# Altium PCB F407.PcbDoc (part 2 of 3) (continued)
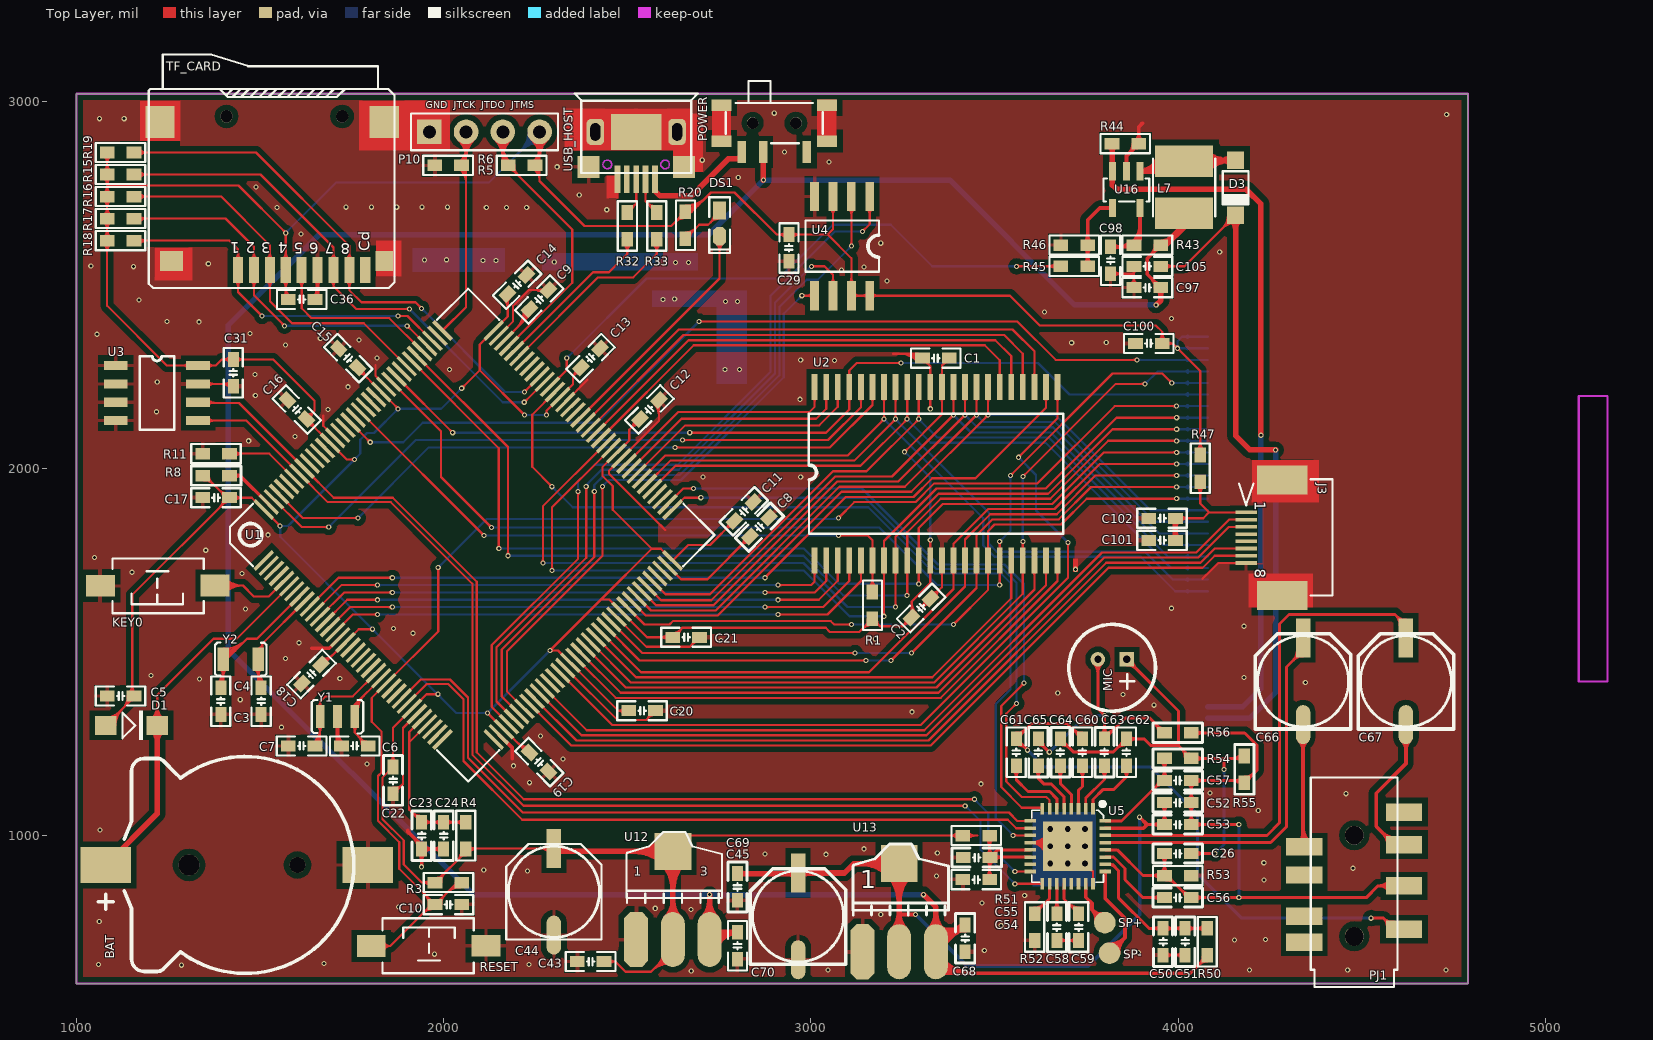
[diagram p0: Top Layer view]
## Nets (pads, with @x,y where several pads share a name; then routed paths per layer and width w, separated by ;. In a path a pad name is that pad's centre, name@x,y a point inside that pad or via, vN(x,y) a via of type N, cw(c..) or ccw(c..) an arc to the next point about the centre after c; other vN are vias at no path point) (continued)
  other v2: 3651.76,923.76 3699,923.76 3746.24,923.76 3651.76,971 3746.24,971 3651.76,1018.24 3699,1018.24 3746.24,1018.24
I2S_LRCK: U1.73 U5.7 | length 1821
  Top Layer w6: U1.73@2623.29,1887.96 2655.33,1920 v1(2700,1920) ; v1@2697.17,1917.17 ccw(c2690.34,1910.34) 2690.34,1920 ccw(c2690.34,1929.66) v1@2697.17,1922.83 ; v1@3556,1360 cw(c3546.34,1360) 3553.17,1353.17 cw(c3560,1346.34) v1@3560,1356 ; v1(3560,1360) 3532,1332 3532,1147 3574,1105 3641,1105 3649.79,1096.21 U5.7@3649.79,1073.41
  Bottom Layer w6: v1(2700,1920) 3146.97,1920 3340.97,1726 3522.03,1726 3560,1688.03 v1(3560,1360) ; v1@2702.83,1917.17 cw(c2709.66,1910.34) 2709.66,1920 cw(c2709.66,1929.66) v1@2702.83,1922.83 ; v1@3557.17,1362.83 ccw(c3550.34,1369.66) 3560,1369.66 ccw(c3569.66,1369.66) v1@3562.83,1362.83
I2S_MCLK: U1.96 U5.11 | length 2493.2
  Top Layer w6: v1@2291,1950 ccw(c2281.34,1950) 2288.17,1956.83 ccw(c2295,1963.66) v1@2295,1954 ; v1(2295,1950) 2241,2004 2241,2145.97 U1.96@2303.14,2208.11 ; v1(3550.53,1000.53) U5.11@3596.59,1000.53 ; v1@3553.36,997.7 cw(c3560.18,990.87) 3560.18,1000.53 cw(c3560.18,1010.18) v1@3553.36,1003.36
  Bottom Layer w6: v1@2295,1946 cw(c2295,1936.34) 2301.83,1943.17 cw(c2308.66,1950) v1@2299,1950 ; v1(2295,1950) 2351,1894 3156,1894 3336,1714 3517.06,1714 3543,1688.06 3543,1398 3503,1358 3503,1048.06 v1(3550.53,1000.53) ; v1@3546.53,1000.53 ccw(c3536.87,1000.53) 3543.7,1007.36 ccw(c3550.53,1014.18) v1@3550.53,1004.53
I2S_SCLK: U1.74 U5.8 | length 1882.5
  Top Layer w6: U1.74@2609.36,1901.88 2652.48,1945 v1(2680,1945) ; v1@2677.17,1942.17 ccw(c2670.34,1935.34) 2670.34,1945 ccw(c2670.34,1954.66) v1@2677.17,1947.83 ; v1@3576,1415 cw(c3566.34,1415) 3573.17,1408.17 cw(c3580,1401.34) v1@3580,1411 ; v1(3580,1415) 3518,1353 3518,1132 3574,1076 U5.8@3627.51,1076 ; 3619.21,1076 cw(c3619.21,1062.52) U5.8@3628.74,1072.05
  Top Layer w8: U5.8@3627.51,1076 U5.8@3630.1,1073.41
  Bottom Layer w6: v1(2680,1945) 3138.94,1945 3345.94,1738 3527,1738 3580,1685 v1(3580,1415) ; v1@2682.83,1942.17 cw(c2689.66,1935.34) 2689.66,1945 cw(c2689.66,1954.66) v1@2682.83,1947.83 ; v1@3577.17,1417.83 ccw(c3570.34,1424.66) 3580,1424.66 ccw(c3589.66,1424.66) v1@3582.83,1417.83
I2S_SDIN: U1.29 U5.10 | length 1980.6
  Top Layer w6: U1.29@1899.48,1359.02 1953.45,1413 2012,1413 2054,1371 2054,1203 2214,1043 3536,1043 3558.79,1020.21 U5.10@3596.59,1020.21
I2S_SDOUT: U1.28 U5.9 | length 1988.2
  Top Layer w6: U1.28@1885.56,1372.94 1937.62,1425 2016.97,1425 2066,1375.97 2066,1212 2215,1063 3538.97,1063 3562.07,1039.9 U5.9@3596.59,1039.9
IIC_SCL: U1.136 U3.6 U5.16 | length 3225.9
  Top Layer w6: U3.6@1331.41,2180 1333.41,2178 1442.4,2178 U1.136@1621.09,1999.31 1700.4,1920 1861,1920 2090,1691 2090,1227 2218,1099 v1(3445,1099) ; U3.6@1353.88,2182.47 ccw(c1364.69,2193.28) 1364.69,2178 ; U3.6@1358.13,2173.28 cw(c1369.52,2161.89) 1369.52,2178 ; U3.6@1358.13,2186.72 ccw(c1379.17,2207.76) 1379.17,2178 ; v1@3442.17,1096.17 ccw(c3435.34,1089.34) 3435.34,1099 ccw(c3435.34,1108.66) v1@3442.17,1101.83 ; v1(3555,902.1) U5.16@3596.59,902.1 ; v1@3557.83,899.27 cw(c3564.66,892.45) 3564.66,902.1 cw(c3564.66,911.76) v1@3557.83,904.93
  Bottom Layer w6: v1@3445,1095 cw(c3445,1085.34) 3451.83,1092.17 cw(c3458.66,1099) v1@3449,1099 ; v1(3445,1099) 3483,1061 3483,974.1 v1(3555,902.1) ; v1@3551,902.1 ccw(c3541.34,902.1) 3548.17,908.93 ccw(c3555,915.76) v1@3555,906.1
IIC_SDA: U1.137 U3.5 U5.17 | length 3236.2
  Top Layer w6: U3.5@1331.41,2130 1462.57,2130 U1.137@1607.17,1985.4 1684.57,1908 1856.03,1908 2078,1686.03 2078,1220 2217,1081 v1(3420,1081) ; U3.5@1358.13,2123.28 cw(c1374.35,2107.07) 1374.35,2130 cw(c1374.35,2152.93) U3.5@1358.13,2136.72 ; v1@3417.17,1078.17 ccw(c3410.34,1071.34) 3410.34,1081 ccw(c3410.34,1090.66) v1@3417.17,1083.83 ; v1(3555,868.59) U5.17@3630.1,868.59 ; v1@3557.83,865.76 cw(c3564.66,858.93) 3564.66,868.59 cw(c3564.66,878.25) v1@3557.83,871.42
  Bottom Layer w6: v1@3420,1077 cw(c3420,1067.34) 3426.83,1074.17 cw(c3433.66,1081) v1@3424,1081 ; v1(3420,1081) 3462,1039 3462,961.59 v1(3555,868.59) ; v1@3551,868.59 ccw(c3541.34,868.59) 3548.17,875.42 ccw(c3555,882.25) v1@3555,872.59
JTCK: P10.2 R6.1 U1.109 | length 1055.2
  Top Layer w6: U1.109@1996.91,2375.14 2061,2439.23 P10.2@2061,2916 ; P10.2@2039.46,2894.46 cw(c1987.45,2842.45) 2061,2842.45 cw(c2134.55,2842.45) P10.2@2082.54,2894.46 ; P10.2@2043.7,2898.7 cw(c2001.94,2856.94) 2061,2856.94 cw(c2120.06,2856.94) P10.2@2078.3,2898.7 ; R6.1@2043.74,2815.99 cw(c2002.06,2774.31) 2061,2774.31 ; R6.1@2043.74,2834.01 ccw(c2002.06,2875.69) 2061,2875.69 ; P10.2@2047.94,2902.94 cw(c2016.42,2871.42) 2061,2871.42 cw(c2105.58,2871.42) P10.2@2074.06,2902.94 ; R6.1@2047.98,2820.23 cw(c2016.55,2788.8) 2061,2788.8 ; R6.1@2047.98,2829.77 ccw(c2016.55,2861.2) 2061,2861.2 ; R6.1@2052.22,2824.47 cw(c2031.03,2803.28) 2061,2803.28 ; R6.1@2052.22,2825.53 ccw(c2031.03,2846.72) 2061,2846.72
JTDO: U1.133
JTMS: P10.3 R5.1 U1.105 | length 1218.1
  Top Layer w6: P10.3@2139.46,2894.46 cw(c2087.45,2842.45) 2161,2842.45 cw(c2234.55,2842.45) P10.3@2182.54,2894.46 ; P10.3@2143.7,2898.7 cw(c2101.94,2856.94) 2161,2856.94 cw(c2220.06,2856.94) P10.3@2178.3,2898.7 ; P10.3@2147.94,2902.94 cw(c2116.42,2871.42) 2161,2871.42 cw(c2205.58,2871.42) P10.3@2174.06,2902.94 ; R5.1@2161,2837.06 ccw(c2183.31,2837.06) R5.1@2167.53,2821.29 ; 2161,2851.55 ccw(c2197.79,2851.55) R5.1@2171.78,2825.53 ; 2161,2866.03 ccw(c2212.28,2866.03) R5.1@2176.02,2829.77 ; 2161,2880.52 ccw(c2226.77,2880.52) R5.1@2180.26,2834.01 ; P10.3@2161,2916 2161,2839.5 2350,2650.5 2350,2505.52 U1.105@2177.87,2333.38 ; R5.1@2179.75,2812.25 cw(c2179.75,2791.74) 2194.26,2806.24 ; R5.1@2186.5,2825 ccw(c2213.06,2825) 2194.28,2806.22 ; R5.1@2192.5,2825 ccw(c2233.54,2825) 2204.52,2795.98
JTRST: U1.134
KEY0: KEY0.1 U1.5 | length 451.4
  Top Layer w6: KEY0.1@1377.31,1680.79 1453.21,1680.79 1483,1651 1523.32,1651 U1.5@1565.41,1693.09 ; KEY0.1@1397.43,1670.51 cw(c1422.23,1645.71) 1422.23,1680.79 cw(c1422.23,1715.86) KEY0.1@1397.43,1691.06 ; KEY0.1@1401.67,1666.27 cw(c1436.71,1631.23) 1436.71,1680.79 cw(c1436.71,1730.34) KEY0.1@1401.67,1695.3 ; KEY0.1@1405.91,1662.03 cw(c1451.2,1616.74) 1451.2,1680.79 cw(c1451.2,1744.83) KEY0.1@1405.91,1699.54
KEY1: U1.92
LCD_BL: R45.2 U1.97 | length 1778.4
  Top Layer w6: U1.97@2289.22,2222.03 2289.22,2222.22 2335,2268 v1(2335,2300) ; U1.97@2312.74,2243.55 cw(c2318.04,2243.55) 2314.29,2247.29 ; v1@2332.17,2297.17 cw(c2325.34,2290.34) 2335,2290.34 cw(c2344.66,2290.34) v1@2337.83,2297.17 ; v1(3560,2550) R45.2@3680.5,2550 ; v1@3562.83,2547.17 cw(c3569.66,2540.34) 3569.66,2550 cw(c3569.66,2559.66) v1@3562.83,2552.83 ; R45.2@3667.23,2540.99 ccw(c3645.47,2519.22) 3645.47,2550 ccw(c3645.47,2580.78) R45.2@3667.23,2559.01 ; R45.2@3671.48,2545.23 ccw(c3659.96,2533.71) 3659.96,2550 ccw(c3659.96,2566.29) R45.2@3671.48,2554.77
  Bottom Layer w6: v1(2335,2300) 2552,2517 2913,2517 3059,2663 3217,2663 3330,2550 v1(3560,2550) ; v1@2335,2304 ccw(c2335,2313.66) 2341.83,2306.83 ccw(c2348.66,2300) v1@2339,2300 ; v1@3557.17,2547.17 ccw(c3550.34,2540.34) 3550.34,2550 ccw(c3550.34,2559.66) v1@3557.17,2552.83
LED1: DS1.2 U1.91 | length 737.5
  Top Layer w6: U1.91@2372.74,2138.51 2751.2,2516.97 DS1.2@2751.2,2632 ; DS1.2@2740.95,2614.24 cw(c2716.19,2589.49) 2751.2,2589.49 cw(c2786.21,2589.49) DS1.2@2761.45,2614.24 ; DS1.2@2745.19,2618.49 cw(c2730.68,2603.98) 2751.2,2603.98 cw(c2771.72,2603.98) DS1.2@2757.21,2618.49
LED_A: C105.1 D3.2 TFT1.35 | length 2100.2
  Top Layer w6: C105.1@3952.5,2550 4017,2550 D3.2@4156,2689 ; C105.1@3965.99,2541.51 cw(c3986.47,2521.03) 3986.47,2550 cw(c3986.47,2578.97) C105.1@3965.99,2558.49 ; D3.2@4135.38,2689 cw(c4085.59,2689) 4120.8,2653.8 cw(c4156,2618.59) D3.2@4156,2668.38 ; D3.2@4141.38,2689 cw(c4106.08,2689) 4131.04,2664.04 cw(c4156,2639.08) D3.2@4156,2674.38
  Top Layer w15: D3.2@4144.6,2677.6 cw(c4117.08,2650.08) 4156,2650.08 cw(c4194.92,2650.08) D3.2@4167.4,2677.6 ; D3.2@4156,2689 4156,2089 4195,2050 v1(4265,2050)
  Bottom Layer w15: TFT1.35@4080.79,1318.98 4193.98,1318.98 4265,1390 v1(4265,2050)
LED_K: R44.2 TFT1.34 U16.3 | length 2052.6
  Top Layer w15: R44.2@3813.67,2878.17 cw(c3795.97,2860.47) 3821,2860.47 ; 3821,2867.71 cw(c3835.79,2867.71) R44.2@3825.33,2878.17 ; R44.2@3821,2882.5 U16.3@3821,2809 3821,2771 3832,2760 4185,2760 4188,2757 4225,2720 v1(4225,2090)
  Bottom Layer w15: TFT1.34@4080.79,1350.48 4175.48,1350.48 4225,1400 v1(4225,2090)
NetBAT_1: BAT.1 D1.2 U1.6 | length 1220.2
  Top Layer w6: D1.2@1204.03,1315.97 ccw(c1165.46,1354.54) 1220,1354.54 ccw(c1274.54,1354.54) D1.2@1235.97,1315.97 ; D1.2@1208.27,1311.73 ccw(c1179.95,1340.05) 1220,1340.05 ccw(c1260.05,1340.05) D1.2@1231.73,1311.73 ; D1.2@1220,1300 1220,1383 1373,1536 1436.16,1536 U1.6@1579.33,1679.17
  Top Layer w15: BAT.1@1080,920 1220,1060 D1.2@1220,1300 ; D1.2@1207.21,1287.21 cw(c1176.33,1256.33) 1220,1256.33 cw(c1263.67,1256.33) D1.2@1232.79,1287.21
NetC6_2: C6.2 U1.24 Y1.1 | length 432
  Top Layer w6: Y1.1@1751.77,1298.08 cw(c1736.73,1283.04) 1758,1283.04 cw(c1779.27,1283.04) Y1.1@1764.23,1298.08 ; Y1.1@1754.7,1351.86 ccw(c1752.73,1356.74) 1758,1356.74 ; Y1.1@1754.81,1343.68 cw(c1778.63,1343.68) 1761.79,1360.53 ; Y1.1@1760.81,1343.68 cw(c1799.11,1343.68) 1772.03,1370.77 ; Y1.1@1761.3,1351.86 cw(c1763.27,1356.74) 1758,1356.74 ; 1765.48,1273.02 cw(c1736.46,1244) C6.2@1777.5,1244 ; Y1.1@1766.81,1343.68 cw(c1819.6,1343.68) 1782.27,1381.01 ; 1775.72,1262.78 cw(c1756.94,1244) C6.2@1783.5,1244 ; 1777.55,1260.95 ccw(c1789.5,1272.9) C6.2@1789.5,1256 ; C6.2@1794.5,1244 1758,1280.5 Y1.1@1758,1324 1758,1356.74 ; U1.24@1829.88,1428.62 1758,1356.74
NetC7_2: C7.2 U1.23 Y1.3 | length 463.7
  Top Layer w6: C7.2@1646.01,1252.49 ccw(c1603.77,1294.73) Y1.3@1663.51,1294.73 ; C7.2@1650.26,1248.24 ccw(c1618.26,1280.24) 1663.51,1280.24 ; C7.2@1654.5,1244 ccw(c1632.74,1265.76) 1663.51,1265.76 ; Y1.3@1657.28,1298.08 cw(c1642.24,1283.04) 1663.51,1283.04 cw(c1684.78,1283.04) Y1.3@1669.74,1298.08 ; Y1.3@1657.38,1350.01 ccw(c1643.31,1364.51) 1663.51,1364.51 ; C7.2@1663.51,1258.01 Y1.3@1663.51,1324 1663.51,1364.51 ; Y1.3@1669.65,1350.01 cw(c1683.72,1364.51) 1663.51,1364.51 ; U1.23@1815.96,1442.54 1752.42,1379 1678,1379 1663.51,1364.51
NetC8_1: C8.1 U1.71 | length 333.7
  Top Layer w6: U1.71@2609.36,1734.85 2646.21,1698 2718,1698 C8.1@2834.19,1814.19 ; C8.1@2818.66,1810.66 cw(c2789.68,1810.66) 2810.17,1790.17 cw(c2830.66,1769.68) C8.1@2830.66,1798.66
NetC9_1: C9.1 U1.106 | length 265
  Top Layer w6: U1.106@2163.95,2347.3 2234.19,2417.55 C9.1@2234.19,2434.19 ; 2198.4,2381.76 ccw(c2149.5,2430.66) C9.1@2218.66,2430.66 ; 2208.64,2392 ccw(c2169.99,2430.66) C9.1@2224.66,2430.66 ; 2218.89,2402.24 ccw(c2190.47,2430.66) C9.1@2230.66,2430.66 ; C9.1@2229.13,2412.48 ccw(c2210.96,2430.66) C9.1@2236.66,2430.66
NetC26_2: C26.2 C62.2 C64.2 MIC.1 R54.2 R55.2 | length 1634.1
  Top Layer w8: C64.2@3679,1247.5 cw(c3679,1208.87) 3706.31,1236.19 ; C64.2@3679,1255.5 cw(c3679,1236.19) C64.2@3692.66,1249.84 ; C64.2@3679,1263.5 3715.5,1227 3822.5,1227 C62.2@3859,1263.5 3906.5,1263.5 3925,1245 4000.5,1245 ; C64.2@3690,1258.5 ccw(c3704.49,1258.5) 3694.24,1248.26 ; 3831.69,1236.19 cw(c3859,1208.87) C62.2@3859,1247.5 ; 3843.76,1248.26 ccw(c3833.51,1258.5) C62.2@3848,1258.5 ; C62.2@3845.34,1249.84 cw(c3859,1236.19) C62.2@3859,1255.5 ; MIC.1@3860,1464.32 cw(c3860,1426.45) 3886.78,1453.22 cw(c3913.55,1480) MIC.1@3875.68,1480 ; MIC.1@3860,1480 4000.5,1339.5 4000.5,1245 ; C62.2@3866.78,1255.72 cw(c3885.56,1236.94) 3885.56,1263.5 cw(c3885.56,1290.06) C62.2@3866.78,1271.28 ; 4008.19,1237.31 cw(c3980.87,1210) R54.2@4019.5,1210 ; 4018.45,1227.05 ccw(c4031.25,1239.84) R54.2@4031.25,1221.75 ; R54.2@4021.84,1223.66 cw(c4008.19,1210) R54.2@4027.5,1210 ; C26.2@4035.5,951 v1(4100,951) ; R54.2@4048.06,1201.69 cw(c4068.11,1181.64) 4068.11,1210 cw(c4068.11,1238.36) R54.2@4048.06,1218.31 ; C26.2@4048.28,943.22 cw(c4067.06,924.44) 4067.06,951 cw(c4067.06,977.56) C26.2@4048.28,958.78 ; v1@4097.88,948.88 ccw(c4092.76,943.76) 4092.76,951 ccw(c4092.76,958.24) v1@4097.88,953.12 ; v1@4122.88,1182.12 ccw(c4117.76,1187.24) 4125,1187.24 ccw(c4132.24,1187.24) v1@4127.12,1182.12 ; v1(4125,1180) 4125,1210 ; 4146.21,1210 ccw(c4146.21,1246.04) R55.2@4171.69,1220.56 ; 4157.06,1210 cw(c4157.06,1189.31) R55.2@4171.69,1203.94 ; R55.2@4180,1216.5 4173.5,1210 4125,1210 ; 4000.5,1245 R54.2@4035.5,1210 4125,1210
  Bottom Layer w8: v1(4100,951) 4125,976 v1(4125,1180) ; v1@4100,954 ccw(c4100,961.24) 4105.12,956.12 ccw(c4110.24,951) v1@4103,951 ; v1@4122.88,1177.88 cw(c4117.76,1172.76) 4125,1172.76 cw(c4132.24,1172.76) v1@4127.12,1177.88
NetC50_2: C50.2 C51.2 R50.1 U5.26 | length 634.1
  Top Layer w8: U5.26@3801.41,921.79 3820.21,921.79 3837,905 3837,831 3920.5,747.5 C50.2@3959,747.5 C51.2@4019,747.5 R50.1@4079,747.5 ; U5.26@3812.24,920.87 cw(c3812.24,899.39) 3827.43,914.57 ; U5.26@3812.48,920.9 cw(c3815.68,909.28) 3824.2,917.8 ; C50.2@3951.22,739.72 ccw(c3932.44,720.94) 3932.44,747.5 ccw(c3932.44,774.06) C50.2@3951.22,755.28 ; C50.2@3966.78,739.72 cw(c3985.56,720.94) 3985.56,747.5 cw(c3985.56,774.06) C50.2@3966.78,755.28 ; C51.2@4011.22,739.72 ccw(c3992.44,720.94) 3992.44,747.5 ccw(c3992.44,774.06) C51.2@4011.22,755.28 ; C51.2@4026.78,739.72 cw(c4045.56,720.94) 4045.56,747.5 cw(c4045.56,774.06) C51.2@4026.78,755.28 ; R50.1@4070.69,739.19 ccw(c4050.64,719.14) 4050.64,747.5 ccw(c4050.64,775.86) R50.1@4070.69,755.81
NetC54_2: C54.2 C55.2 R51.1 U5.13 U5.14 | length 586.5
  Top Layer w8: R51.1@3478.19,991.69 cw(c3458.14,971.64) 3486.5,971.64 cw(c3514.86,971.64) R51.1@3494.81,991.69 ; C54.2@3478.72,887.78 ccw(c3459.94,906.56) 3486.5,906.56 ccw(c3513.06,906.56) C54.2@3494.28,887.78 ; C55.2@3479.72,932.22 cw(c3463.36,915.86) 3486.5,915.86 ; C55.2@3479.72,947.78 ccw(c3463.36,964.14) 3486.5,964.14 ; C54.2@3486.5,880 R51.1@3486.5,1000 ; 3486.5,911.03 cw(c3516.47,911.03) C55.2@3495.28,932.22 ; 3486.5,968.97 ccw(c3516.47,968.97) C55.2@3495.28,947.78 ; C55.2@3492.5,951 ccw(c3492.5,965.49) 3502.74,955.24 ; C55.2@3500.28,932.22 cw(c3522.61,909.89) 3522.61,941.47 ; C55.2@3500.28,947.78 ccw(c3515.5,963) 3515.5,941.47 ; C55.2@3503.23,942.42 cw(c3522.95,946.86) 3508.66,961.16 ; U5.14@3596.59,941.47 3488.97,941.47 3508.66,961.16 ; U5.13@3596.59,961.16 3508.66,961.16
NetC56_2: C56.2 U5.27 | length 266.1
  Top Layer w8: U5.27@3801.41,941.47 3823.53,941.47 3855,910 3855,880 3904,831 C56.2@3962.5,831 ; C56.2@3949.72,823.22 ccw(c3930.94,804.44) 3930.94,831 ccw(c3930.94,857.56) C56.2@3949.72,838.78
NetC57_2: C57.2 R54.1 U5.32 | length 394.7
  Top Layer w8: U5.32@3801.41,1039.9 3845.9,1039.9 3956,1150 C57.2@3962.5,1150 R54.1@3962.5,1210 ; 3936.16,1130.16 cw(c3957.5,1108.82) C57.2@3957.5,1139 ; 3939.78,1133.78 ccw(c3923.57,1150) C57.2@3946.5,1150 ; R54.1@3954.19,1201.69 cw(c3934.14,1181.64) 3962.5,1181.64 cw(c3990.86,1181.64) R54.1@3970.81,1201.69 ; C57.2@3954.72,1157.78 ccw(c3935.94,1176.56) 3962.5,1176.56 ccw(c3989.06,1176.56) C57.2@3970.28,1157.78
NetC58_1: C58.1 U5.19 | length 122.8
  Top Layer w8: C58.1@3661.69,800.28 ccw(c3642.91,819.06) 3669.47,819.06 ccw(c3696.03,819.06) C58.1@3677.25,800.28 ; C58.1@3669.47,787.5 U5.19@3669.47,868.59
NetC59_1: C59.1 U5.20 | length 154.5
  Top Layer w8: U5.20@3689.16,868.59 3689.16,827.34 C59.1@3729,787.5 ; 3701.69,814.81 ccw(c3729,842.13) C59.1@3729,803.5 ; 3713.76,802.74 cw(c3703.51,792.5) C59.1@3718,792.5 ; C59.1@3715.34,801.16 ccw(c3729,814.81) C59.1@3729,795.5
NetC60_1: C60.1 U5.3 | length 163.1
  Top Layer w8: U5.3@3728.53,1073.41 3728.53,1123.53 3739,1134 C60.1@3739,1190.5 ; C60.1@3731.22,1177.72 cw(c3712.44,1158.94) 3739,1158.94 cw(c3765.56,1158.94) C60.1@3746.78,1177.72
NetC61_1: C61.1 U5.6 | length 239.1
  Top Layer w8: C61.1@3551.22,1177.72 cw(c3532.44,1158.94) 3559,1158.94 cw(c3585.56,1158.94) C61.1@3566.78,1177.72 ; C61.1@3559,1190.5 3559,1152 3591,1120 3650,1120 3669.47,1100.53 U5.6@3669.47,1073.41
NetC62_1: C62.1 U5.1 | length 211
  Top Layer w8: U5.1@3767.9,1073.41 3767.9,1097.9 3796,1126 3825,1126 3859,1160 ; C62.1@3851.45,1177.5 cw(c3834.95,1160) 3859,1160 ; C62.1@3859,1190.5 3859,1160 ; C62.1@3866.55,1177.5 ccw(c3883.05,1160) 3859,1160
NetC63_1: C63.1 U5.2 | length 179.8
  Top Layer w8: U5.2@3748.21,1073.41 3748.21,1102.21 3799,1153 C63.1@3799,1190.5 ; C63.1@3791.22,1177.72 cw(c3772.44,1158.94) 3799,1158.94 cw(c3825.56,1158.94) C63.1@3806.78,1177.72
NetC63_2: C63.2 C65.2 MIC.2 R56.2 | length 984.1
  Top Layer w8: C65.2@3619,1247.5 cw(c3619,1224.57) 3635.22,1240.78 ; C65.2@3619,1263.5 3619,1257 v1(3649,1227) ; C65.2@3630,1258.5 ccw(c3660.18,1258.5) 3638.84,1237.16 ; v1@3646,1227 ccw(c3638.76,1227) 3643.88,1232.12 ccw(c3649,1237.24) v1@3649,1230 ; MIC.2@3770.17,1468.91 cw(c3743.39,1442.13) 3781.26,1442.13 cw(c3819.13,1442.13) MIC.2@3792.35,1468.91 ; MIC.2@3781.26,1480 3781.26,1344.74 v1(3799,1327) C63.2@3799,1263.5 3855.5,1320 3922.5,1320 R56.2@3962.5,1280 ; C63.2@3791.22,1276.28 ccw(c3772.44,1295.06) 3799,1295.06 ccw(c3825.56,1295.06) C63.2@3806.78,1276.28 ; v1@3796,1327 ccw(c3788.76,1327) 3793.88,1332.12 ccw(c3799,1337.24) v1@3799,1330 ; v1@3796.88,1324.88 cw(c3791.76,1319.76) 3799,1319.76 cw(c3806.24,1319.76) v1@3801.12,1324.88 ; C63.2@3799,1271.5 ccw(c3799,1290.81) C63.2@3812.66,1277.16 ; C63.2@3799,1279.5 ccw(c3799,1318.13) 3826.31,1290.81 ; C63.2@3810,1268.5 cw(c3824.49,1268.5) 3814.24,1278.74 ; 3935.19,1307.31 cw(c3907.87,1280) R56.2@3946.5,1280 ; 3945.45,1297.05 ccw(c3958.25,1309.84) R56.2@3958.25,1291.75 ; R56.2@3948.84,1293.66 cw(c3935.19,1280) R56.2@3954.5,1280
  Bottom Layer w8: v1(3649,1227) 3749,1327 v1(3799,1327) ; v1@3649,1230 ccw(c3649,1237.24) 3654.12,1232.12 ccw(c3659.24,1227) v1@3652,1227 ; v1@3796.88,1324.88 ccw(c3791.76,1319.76) 3791.76,1327 ccw(c3791.76,1334.24) v1@3796.88,1329.12
NetC64_1: C64.1 U5.4 | length 171.2
  Top Layer w8: C64.1@3671.22,1177.72 cw(c3652.44,1158.94) 3679,1158.94 cw(c3705.56,1158.94) C64.1@3686.78,1177.72 ; C64.1@3679,1190.5 3679,1142 3708.84,1112.16 U5.4@3708.84,1073.41
NetC65_1: C65.1 U5.5 | length 199.6
  Top Layer w8: C65.1@3611.22,1177.72 cw(c3592.44,1158.94) 3619,1158.94 cw(c3645.56,1158.94) C65.1@3626.78,1177.72 ; C65.1@3619,1190.5 3619,1156 3635,1140 3655,1140 3689.16,1105.84 U5.5@3689.16,1073.41
NetC66_1: C66.1 U5.29 | length 1103.7
  Top Layer w8: U5.29@3801.41,980.84 4251.84,980.84 4295,1024 4295,1459 4340,1504 C66.1@4340,1538.11 ; 4312.77,1476.77 ccw(c4284.89,1504.65) C66.1@4324.31,1504.65 ; 4314.33,1478.33 cw(c4340,1452.65) C66.1@4340,1488.96
NetC67_1: C67.1 U5.30 | length 1490.4
  Top Layer w8: U5.30@3801.41,1000.53 4241.53,1000.53 4276,1035 4276,1576 4302,1602 4590,1602 4620,1572 C67.1@4620,1538.11 ; 4592.92,1599.08 cw(c4565.42,1571.57) C67.1@4604.32,1571.57 ; 4593.95,1598.05 ccw(c4620,1624.1) C67.1@4620,1587.26
NetC98_2: C98.2 R43.1 U16.5 | length 377.1
  Top Layer w10: C98.2@3816,2603 3874.5,2603 R43.1@3879.5,2608 3896,2624.5 ; C98.2@3823.07,2595.93 cw(c3840.14,2578.86) 3840.14,2603 cw(c3840.14,2627.14) C98.2@3823.07,2610.07 ; 3837.23,2603 ccw(c3837.23,2646.02) R43.1@3867.65,2615.6 ; R43.1@3876.15,2615.6 ccw(c3828.23,2663.52) 3896,2663.52 ; R43.1@3883.22,2608.53 ccw(c3852.38,2639.38) 3896,2639.38 ; R43.1@3883.75,2618.75 ccw(c3883.75,2634.43) R43.1@3894.84,2623.34 ; U16.5@3892.46,2690.46 cw(c3883.93,2681.93) 3896,2681.93 cw(c3908.07,2681.93) U16.5@3899.54,2690.46 ; R43.1@3893.63,2612.23 cw(c3903.88,2616.62) 3896,2624.5 ; U16.5@3896,2709 3896,2624.5
NetC101_2: C101.2 C102.2 J3.1 R47.1 | length 528.9
  Top Layer w6: C102.2@3992.5,1864 4068,1864 4084,1880 ; C102.2@4005.99,1855.51 cw(c4026.47,1835.03) 4026.47,1864 cw(c4026.47,1892.97) C102.2@4005.99,1872.49 ; R47.1@4050.99,1950.23 cw(c4029.22,1928.47) 4060,1928.47 cw(c4090.78,1928.47) R47.1@4069.01,1950.23 ; R47.1@4055.23,1954.48 cw(c4043.71,1942.96) 4060,1942.96 cw(c4076.29,1942.96) R47.1@4064.77,1954.48 ; R47.1@4060,1963.5 4060,1904 4084,1880 ; J3.1@4185,1880 4084,1880
  Top Layer w15: C101.2@3987.2,1809.3 ccw(c3974.39,1822.11) 3992.5,1822.11 ccw(c4010.61,1822.11) C101.2@3997.8,1809.3 ; C102.2@3987.2,1858.7 cw(c3974.39,1845.89) 3992.5,1845.89 cw(c4010.61,1845.89) C102.2@3997.8,1858.7 ; C101.2@3992.5,1804 C102.2@3992.5,1864
NetD3_1: D3.1 L7.1 U16.1 | length 684.1
  Top Layer w15: 3916.16,2809 ccw(c3916.16,2855.43) L7.1@3960.64,2842.1 ; 3936.31,2809 ccw(c3936.31,2849.39) L7.1@3975,2837.79 ; L7.1@3946.27,2846.41 cw(c3896,2861.47) U16.1@3896,2809 L7.1@3988.87,2809 ; L7.1@4018.87,2839 D3.1@4156,2839 ; L7.1@4066.15,2821.41 cw(c4108.6,2778.95) 4108.6,2839 ; L7.1@4066.15,2850.84 ccw(c4094.73,2879.42) L7.1@4094.73,2839 ; L7.1@4076.75,2810.81 cw(c4144.82,2742.74) D3.1@4144.82,2839 ; L7.1@4076.75,2861.45 ccw(c4130.94,2915.63) 4130.94,2839 ; D3.1@4144.6,2827.6 ccw(c4117.08,2800.08) 4117.08,2839 ccw(c4117.08,2877.92) D3.1@4144.6,2850.4
NetDS1_1: DS1.1 R20.2 | length 277.9
  Top Layer w6: R20.2@2658.22,2625.5 2695.73,2663 2720,2663 DS1.1@2751.2,2694.2 ; R20.2@2658.22,2636.5 ccw(c2658.22,2663.05) 2677,2644.27 ccw(c2691.48,2629.75) R20.2@2670.97,2629.75 ; R20.2@2658.22,2642.5 ccw(c2658.22,2683.54) 2687.24,2654.52 ; 2726.24,2669.24 ccw(c2700.98,2694.5) DS1.1@2736.7,2694.5 ; 2726.95,2669.95 cw(c2751.2,2645.7) DS1.1@2751.2,2680 ; DS1.1@2736.48,2679.48 ccw(c2721.46,2694.5) DS1.1@2742.7,2694.5 ; DS1.1@2737.19,2680.19 cw(c2751.2,2666.19) DS1.1@2751.2,2686
NetR8_2: R8.2 U1.143 | length 177.5
  Top Layer w10: R8.2@1416.5,1980 1445.53,1980 ; R8.2@1428.6,1972.66 cw(c1445.53,1956.81) 1445.53,1980 ; R8.2@1428.6,1987.34 ccw(c1445.53,2003.19) 1445.53,1980 ; U1.143@1523.65,1901.88 1445.53,1980
NetR32_1: R32.1 USB_HOST.3 | length 175.3
  Top Layer w6: R32.1@2500,2696.5 2524.22,2720.72 ; R32.1@2501,2707.43 ccw(c2503.56,2724.55) 2515.81,2712.31 ; R32.1@2501.89,2713.36 ccw(c2505.76,2739.18) 2524.22,2720.72 ; R32.1@2512.75,2700.75 cw(c2533.26,2700.75) 2518.76,2715.26 ; USB_HOST.3@2520.77,2753.67 cw(c2512.45,2745.35) 2524.22,2745.35 cw(c2535.99,2745.35) USB_HOST.3@2527.67,2753.67 ; USB_HOST.3@2524.22,2786.65 2524.22,2720.72
NetR33_1: R33.1 USB_HOST.2 | length 187.9
  Top Layer w6: USB_HOST.2@2546.36,2753.67 cw(c2538.04,2745.35) 2549.81,2745.35 cw(c2561.58,2745.35) USB_HOST.2@2553.26,2753.67 ; USB_HOST.2@2549.81,2786.65 2549.81,2726.69 R33.1@2580,2696.5 ; 2551.94,2724.56 ccw(c2578.69,2751.31) R33.1@2579.67,2713.5 ; 2561.24,2715.26 cw(c2546.74,2700.75) R33.1@2567.25,2700.75 ; 2561.82,2714.68 ccw(c2579.19,2732.06) R33.1@2579.82,2707.5
NetR45_1: R45.1 R46.1 U16.4 | length 348.7
  Top Layer w10: R45.1@3745.9,2557.6 ccw(c3727.55,2575.95) 3753.5,2575.95 ccw(c3779.45,2575.95) R45.1@3761.1,2557.6 ; R46.1@3745.9,2600.4 cw(c3727.55,2582.05) 3753.5,2582.05 cw(c3779.45,2582.05) R46.1@3761.1,2600.4 ; R46.1@3745.9,2615.6 ccw(c3727.55,2633.95) 3753.5,2633.95 ccw(c3779.45,2633.95) R46.1@3761.1,2615.6 ; R45.1@3753.5,2550 R46.1@3753.5,2608 3753.5,2676.5 3786,2709 U16.4@3821,2709 ; U16.4@3817.46,2705.46 ccw(c3808.93,2696.93) 3808.93,2709 ccw(c3808.93,2721.07) U16.4@3817.46,2712.54
NetR52_2: R52.2 U5.18 | length 157.7
  Top Layer w8: R52.2@3609,787.5 3649.79,828.29 U5.18@3649.79,868.59 ; R52.2@3609,795.5 ccw(c3609,814.81) R52.2@3622.66,801.16 ; R52.2@3609,803.5 ccw(c3609,842.13) 3636.31,814.81 ; R52.2@3620.75,791.75 cw(c3638.84,791.75) 3626.05,804.55
NetSP+_1: SP+.1 U5.23 | length 196.4
  Top Layer w10: U5.23@3748.21,868.59 3748.21,831.79 3765,815 3765,798 ; SP+.1@3775.69,766.3 ccw(c3738.36,771.36) 3765,798 ; SP+.1@3796.7,787.31 cw(c3791.64,824.64) 3765,798 ; SP+.1@3800,763 3765,798